# Altium PCB Copy of master.PcbDoc (part 5 of 7)
Units mm, origin at the board's own origin, x right, y up, seen from the top; angles counter-clockwise.
Board outline 160 x 120 mm, 6 copper layers (Top Signal, Top GND, Inner PWR, Inner Signal, Bottom GND, Bottom Signal), stack 1.571 mm thick; 553 components, 452 nets, 2073 pads, 879 vias.
Unrouted connection lines stored in the file: 269.
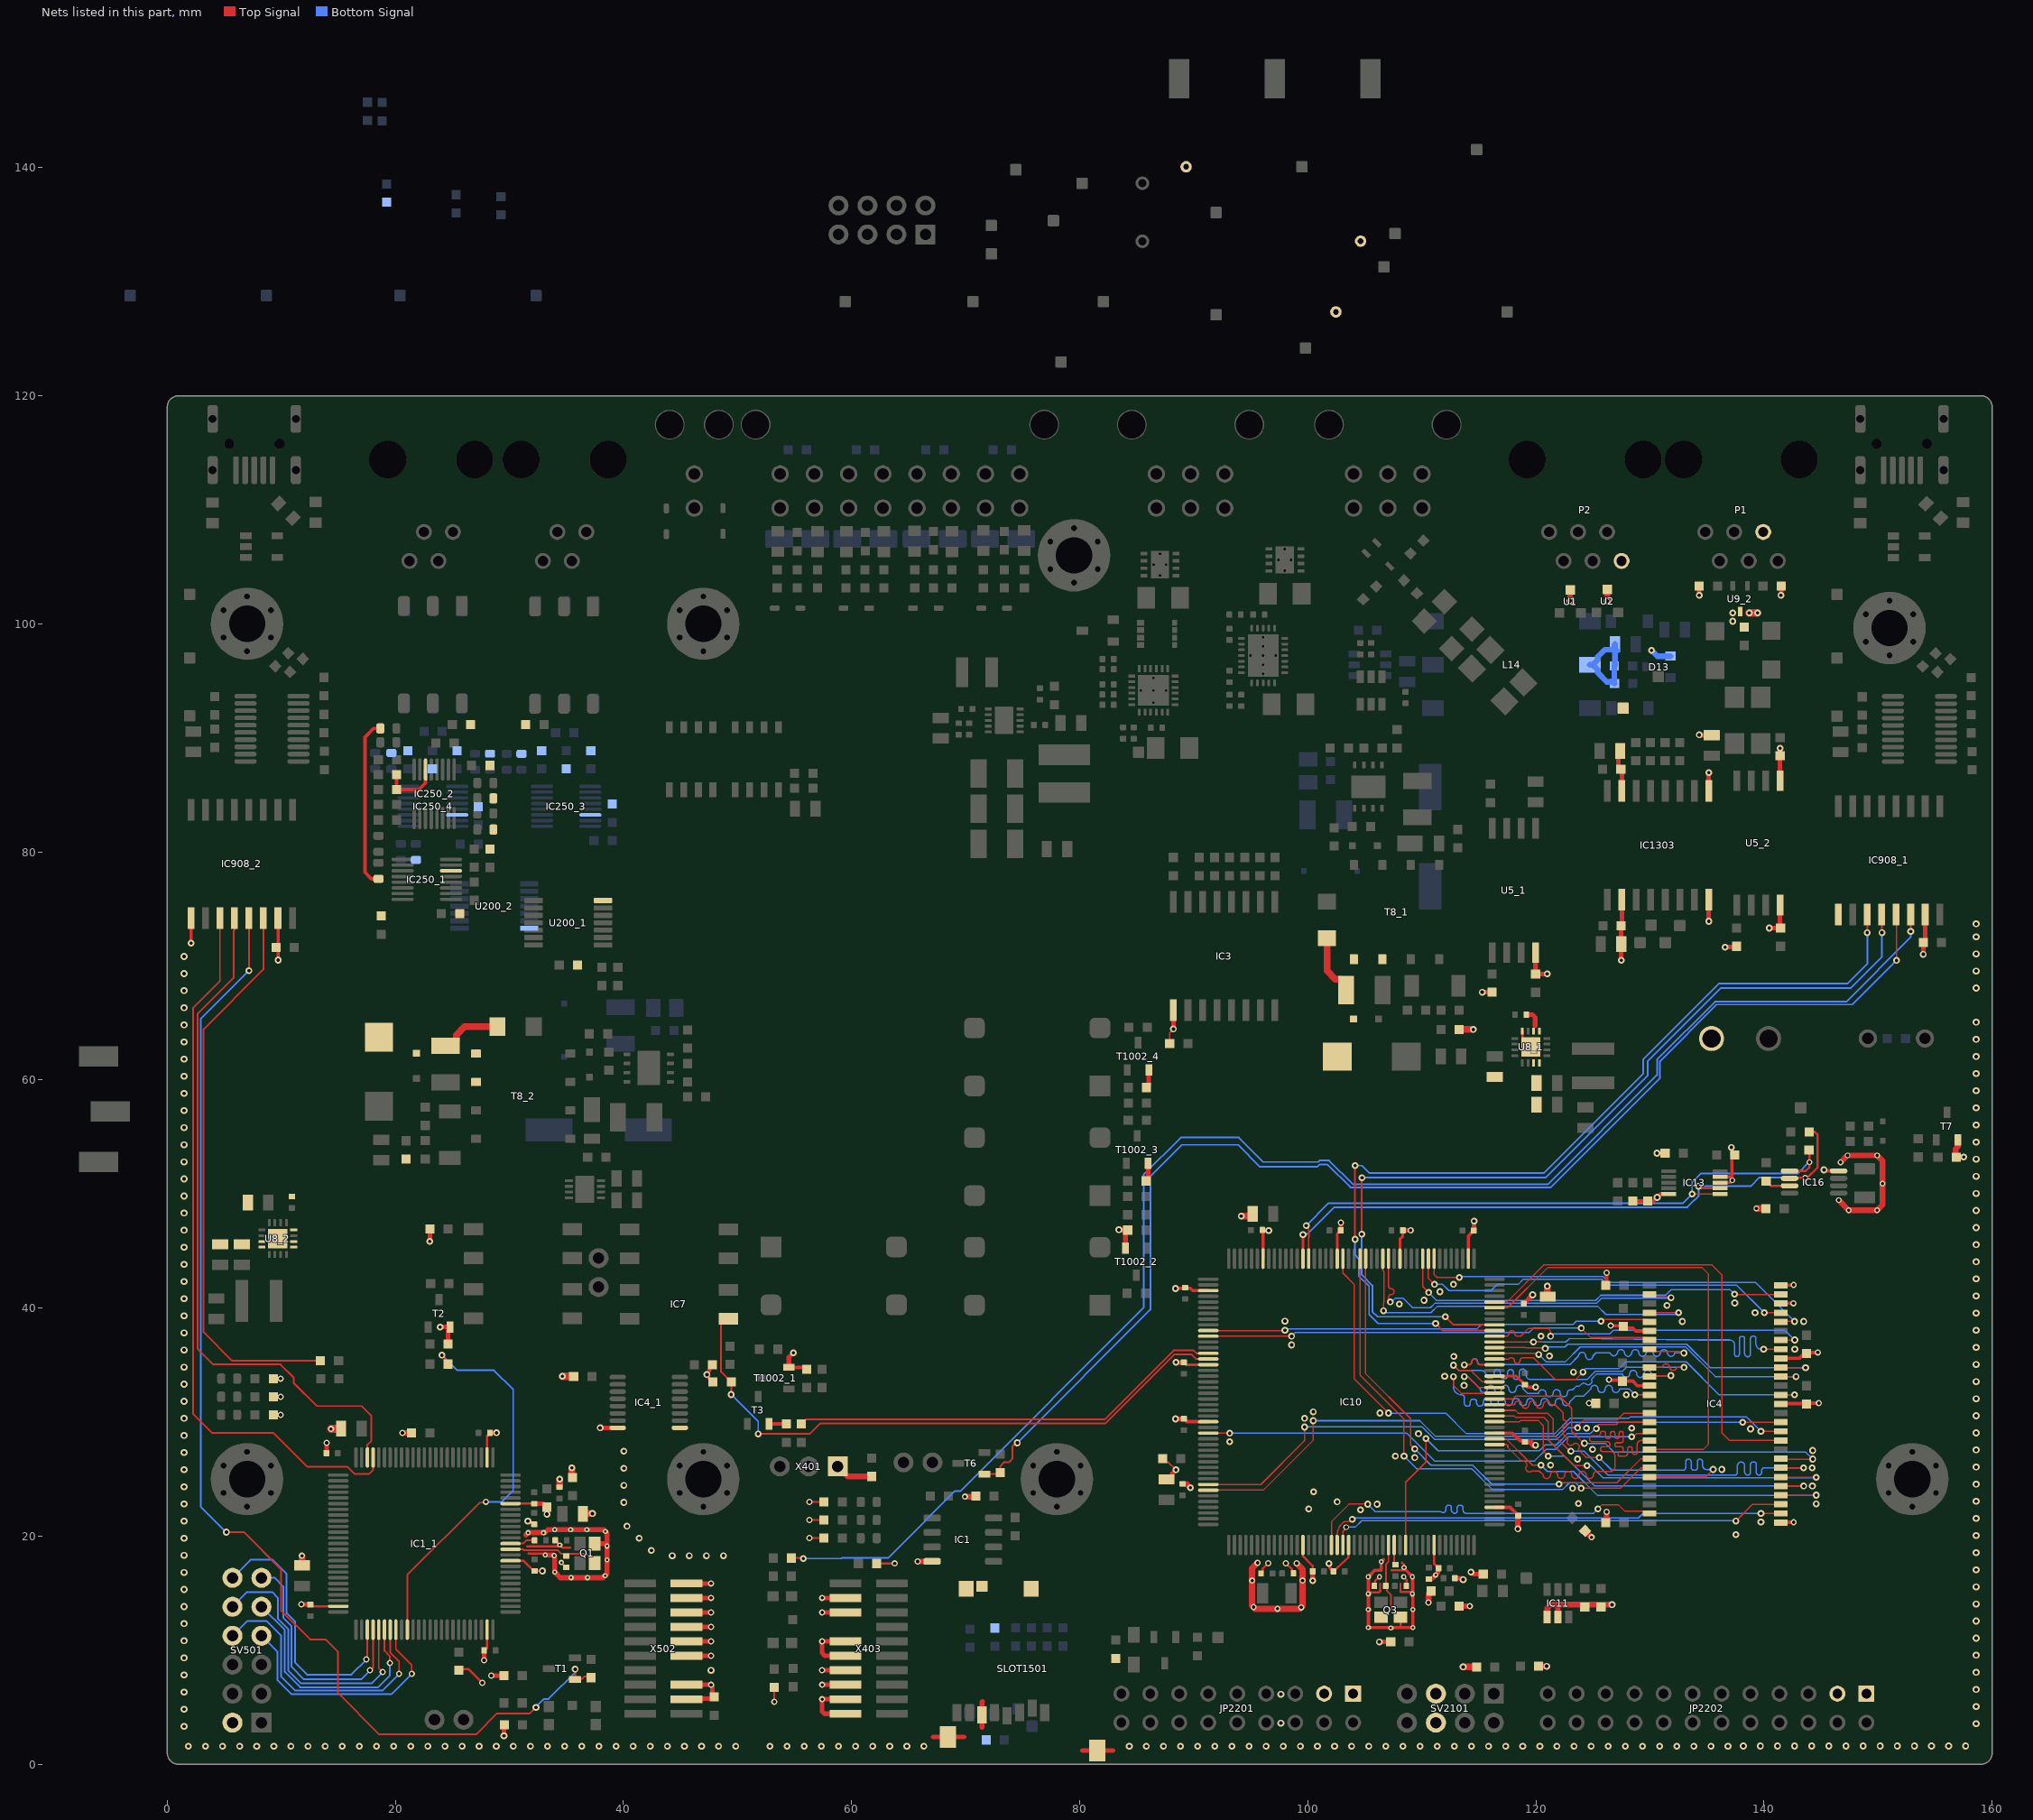
[diagram p9: the nets of this part, all layers, seen from the top]

## Via types
v1: diameter 0.6, hole 0.3, Top Signal to Bottom Signal, 679 vias
v2: diameter 0.55, hole 0.3, Top Signal to Bottom Signal, tented both sides, 125 vias
v3: diameter 0.45, hole 0.2, Top Signal to Bottom Signal, 31 vias
v4: diameter 0.5, hole 0.2, Top Signal to Bottom Signal, 16 vias
v5: diameter 0.5, hole 0.3, Top Signal to Bottom Signal, tented both sides, 13 vias
v6: diameter 0.55, hole 0.3, Top Signal to Bottom Signal, 10 vias
v7: diameter 0.6, hole 0.3, Top Signal to Bottom Signal, tented both sides, 4 vias
v8: diameter 0.5, hole 0.3, Top Signal to Bottom Signal, 1 vias

## Nets (pads, with @x,y where several pads share a name; then routed paths per layer and width w, separated by ;. In a path a pad name is that pad's centre, name@x,y a point inside that pad or via, vN(x,y) a via of type N, cw(c..) or ccw(c..) an arc to the next point about the centre after c; other vN are vias at no path point) (continued)
FMC_MCU_0_RAM_A3: IC4.26 IC10.19 | length 33.5
  Top Signal w0.12: IC10.19@102.072,19.234 102.072,21.272 103.61,22.809 v1(105.258,22.809) ; v1(125.444,22.395) 125.807,22.758 127.236,22.758 127.784,22.211 129.751,22.211 IC4.26@129.966,21.996
  Bottom Signal w0.12: v1(105.258,22.809) 105.927,22.14 111.618,22.14 cw(c111.618,21.845) 111.793,22.083 ccw(c111.865,22.178) 111.896,22.062 ccw(c111.827,22.331) 112.105,22.331 112.105,22.46 cw(c112.371,22.46) 112.371,22.725 cw(c112.371,22.509) 112.587,22.509 112.587,22.307 ccw(c112.883,22.307) 112.883,22.01 112.895,22.01 ccw(c112.895,22.217) 113.101,22.217 113.101,22.501 cw(c113.325,22.501) 113.325,22.725 113.364,22.725 cw(c113.364,22.471) 113.619,22.471 113.619,22.27 ccw(c113.884,22.27) 113.884,22.004 125.053,22.004 v1(125.444,22.395)
FMC_MCU_0_RAM_A4: IC4.29 IC10.20 | length 40.9
  Top Signal w0.12: IC10.20@102.573,19.234 102.573,20.166 cw(c103.799,20.166) 102.932,21.034 103.114,21.216 cw(c103.249,21.08) 103.249,21.272 103.695,21.272 ccw(c103.695,21.473) v1(103.897,21.473) ; v1(139.725,21.996) IC4.29@141.466,21.996
  Bottom Signal w0.12: v1(103.897,21.473) 104.026,21.603 128.994,21.603 129.386,21.996 v1(139.725,21.996)
FMC_MCU_0_RAM_A5: IC4.30 IC10.21 | length 40.6
  Top Signal w0.12: IC10.21@103.072,19.234 103.072,20.412 v8@103.452,20.792 ; v1(137.528,21.331) 138.993,22.796 IC4.30@141.466,22.796
  Bottom Signal w0.12: v8@103.452,20.792 104.176,20.792 104.747,21.363 137.496,21.363 v1(137.528,21.331)
  other v8: 103.363,20.792
FMC_MCU_0_RAM_A6: IC4.31 IC10.60 | length 33.4
  Top Signal w0.12: IC10.60@116.372,28.534 117.379,28.534 119.685,26.228 v1(120.451,26.228) ; IC4.31@141.466,23.596 v1(144.577,23.596)
  Bottom Signal w0.12: v1(120.451,26.228) 120.999,25.679 123.292,25.679 125.375,23.596 v1(144.577,23.596)
FMC_MCU_0_RAM_A7: IC4.32 IC10.63 | length 32.9
  Top Signal w0.12: IC10.63@116.372,30.034 118.569,30.034 118.688,30.153 120.183,30.153 120.625,29.711 120.625,27.471 v1(121.079,27.017) ; IC4.32@141.466,24.396 v1(143.482,24.396)
  Bottom Signal w0.12: v1(121.079,27.017) 122.528,27.017 125.149,24.396 v1(143.482,24.396)
FMC_MCU_0_RAM_A8: IC4.33 IC10.64 | length 34.5
  Top Signal w0.12: IC10.64@116.372,30.534 118.091,30.534 118.209,30.415 120.697,30.415 121.082,30.03 121.082,28.445 123.339,26.187 v1(124.475,26.187) ; IC4.33@141.466,25.196 141.499,25.163 v1(144.577,25.163)
  Bottom Signal w0.12: v1(124.475,26.187) 124.816,26.187 125.881,25.122 144.536,25.122 v1(144.577,25.163)
FMC_MCU_0_RAM_A9: IC4.34 IC10.65 | length 36.5
  Top Signal w0.12: IC10.65@116.372,31.034 118.203,31.034 118.441,30.796 121.005,30.796 121.5,30.301 121.5,28.932 123.063,27.369 v1(123.063,27.457) ; IC4.34@141.466,25.996 141.469,25.993 v1(143.465,25.993)
  Bottom Signal w0.12: v1(123.063,27.457) 124.211,27.457 126.307,25.362 137.431,25.362 ccw(c137.431,25.598) 137.668,25.598 137.668,26.205 cw(c137.959,26.205) 137.959,26.495 138.024,26.495 cw(c138.024,26.228) 138.292,26.228 138.292,25.651 ccw(c138.581,25.651) 138.581,25.362 ccw(c138.581,25.597) 138.816,25.597 138.816,26.286 cw(c139.033,26.286) 139.033,26.503 139.139,26.503 cw(c139.139,26.323) 139.319,26.323 139.319,25.606 ccw(c139.563,25.606) 139.563,25.362 ccw(c139.563,25.597) 139.799,25.597 139.799,25.785 cw(c140.007,25.785) 140.007,25.993 v1(143.465,25.993)
FMC_MCU_0_RAM_A10: IC4.22 IC10.66 | length 34.4
  Top Signal w0.12: IC10.66@116.372,31.534 118.135,31.534 cw(c118.449,31.534) 118.763,31.534 ccw(c119.077,31.534) 119.391,31.534 cw(c119.705,31.534) 120.019,31.534 ccw(c120.333,31.534) 120.647,31.534 cw(c120.961,31.534) 121.275,31.534 121.673,31.534 122.377,30.829 122.377,30.201 cw(c122.377,29.887) 122.377,29.573 122.377,28.945 122.821,28.5 ccw(c123.043,28.278) 123.265,28.056 cw(c123.487,27.834) 123.709,27.612 124.153,27.168 124.255,27.066 124.433,26.889 v1(125.549,26.889) ; IC4.22@129.966,25.196 134.881,25.196 v1(135.534,25.849)
  Bottom Signal w0.12: v1(125.549,26.889) 126.653,25.785 132.899,25.785 ccw(c132.899,26.009) 133.123,26.009 133.123,26.514 cw(c133.367,26.514) 133.367,26.759 133.371,26.759 cw(c133.371,26.52) 133.61,26.52 133.61,26.025 ccw(c133.85,26.025) 133.85,25.785 133.954,25.785 ccw(c133.954,25.991) 134.16,25.991 134.16,26.557 cw(c134.365,26.557) 134.365,26.763 cw(c134.365,26.513) 134.615,26.513 134.615,26.187 ccw(c134.953,26.187) 134.953,25.849 v1(135.534,25.849)
FMC_MCU_0_RAM_A11: IC4.35 IC10.67 | length 34.4
  Top Signal w0.12: IC10.67@116.372,32.034 117.977,32.034 118.218,32.275 122.07,32.275 123.135,31.21 123.135,29.189 124.257,28.067 v1(124.257,28.143) ; IC4.35@141.466,26.759 v1(144.272,26.759)
  Bottom Signal w0.12: v1(124.257,28.143) 126.07,28.143 126.853,27.361 143.67,27.361 v1(144.272,26.759)
FMC_MCU_0_RAM_BA0: IC4.20 IC10.108 | length 41.7
  Top Signal w0.12: IC10.108@105.072,44.334 105.072,34.249 109.017,30.305 109.017,28.007 v1(109.379,27.645) ; v1(122.022,24.562) 121.935,24.562 121.812,24.685 127.098,24.685 129.208,26.796 IC4.20@129.966,26.796
  Bottom Signal w0.12: v1(109.379,27.645) 110.796,26.228 114.458,26.228 116.123,24.562 v1(122.022,24.562)
FMC_MCU_0_RAM_BA1: IC4.21 IC10.109 | length 42.9
  Top Signal w0.12: IC10.109@104.573,44.334 104.573,34.119 108.437,30.255 v1(108.437,27.017) ; v1(123.96,24.198) 127.411,24.198 129.209,25.996 IC4.21@129.966,25.996
  Bottom Signal w0.12: v1(108.437,27.017) 109.526,25.928 114.347,25.928 116.2,24.075 122.324,24.075 122.938,24.689 123.469,24.689 v1(123.96,24.198)
FMC_MCU_0_RAM_D0: IC4.2 IC10.104 | length 31.9
  Top Signal w0.12: IC10.104@107.072,44.334 107.072,41.94 ccw(c107.322,41.94) 107.322,41.69 cw(c107.322,41.44) 107.322,41.19 ccw(c107.322,40.94) 107.072,40.94 107.072,40.686 v1(107.225,40.534) ; IC4.2@129.966,41.196 130.181,40.981 131.79,40.981 v1(131.851,40.919)
  Bottom Signal w0.12: v1(107.225,40.534) 107.333,40.534 107.68,40.881 108.343,40.881 109.193,40.031 110.756,40.031 111.172,40.447 111.186,40.432 125.326,40.432 125.775,40.881 131.813,40.881 v1(131.851,40.919)
FMC_MCU_0_RAM_D1: IC4.4 IC10.105 | length 33.7
  Top Signal w0.12: IC10.105@106.573,44.334 106.573,43.332 106.667,43.238 106.667,40.467 106.63,40.43 v1(106.63,39.768) ; IC4.4@129.966,39.596 v1(132.512,39.596)
  Bottom Signal w0.12: v1(106.63,39.768) 106.802,39.596 110.796,39.596 111.364,40.164 125.415,40.164 126.132,39.447 132.233,39.447 132.382,39.596 v1(132.512,39.596)
FMC_MCU_0_RAM_D2: IC4.5 IC10.142 | length 39.6
  Top Signal w0.12: IC10.142@91.273,38.034 98.183,38.034 98.204,38.055 v1(97.993,38.055) ; v1(125.712,38.847) 125.712,38.872 125.851,39.011 129.751,39.011 IC4.5@129.966,38.796
  Bottom Signal w0.12: v1(97.993,38.055) 98.102,38.163 114.801,38.163 115.216,38.578 123.262,38.578 123.537,38.854 123.544,38.847 v1(125.712,38.847)
FMC_MCU_0_RAM_D3: IC4.7 IC10.143 | length 39.5
  Top Signal w0.12: IC10.143@91.273,37.534 91.348,37.609 91.424,37.533 v1(98.582,37.533) ; v1(123.977,38.244) 124.811,37.411 129.751,37.411 IC4.7@129.966,37.196
  Bottom Signal w0.12: v1(98.582,37.533) 98.921,37.871 119.407,37.871 119.78,38.244 v1(123.977,38.244)
FMC_MCU_0_RAM_D4: IC4.13 IC10.68 | length 31.4
  Top Signal w0.12: v1(112.774,33.996) 112.774,33.215 113.456,32.534 IC10.68@116.372,32.534 ; v1(128.676,32.402) 129.96,32.402 IC4.13@129.966,32.396
  Bottom Signal w0.12: v1(112.774,33.996) 112.774,33.077 ccw(c113.449,33.077) 113.449,32.402 cw(c113.449,32.116) 113.735,32.116 113.735,31.636 ccw(c113.975,31.636) 113.975,31.395 114.024,31.395 ccw(c114.024,31.617) 114.246,31.617 114.246,31.766 cw(c114.497,31.766) 114.497,32.017 114.575,32.017 cw(c114.575,31.787) 114.805,31.787 114.805,31.66 ccw(c115.07,31.66) 115.07,31.395 ccw(c115.07,31.722) 115.397,31.722 115.397,31.767 cw(c115.725,31.767) 115.725,32.094 115.741,32.094 cw(c115.741,31.78) 116.055,31.78 116.055,31.767 ccw(c116.369,31.767) 116.683,31.767 cw(c116.997,31.767) 117.311,31.767 ccw(c117.625,31.767) 117.939,31.767 cw(c118.253,31.767) 118.567,31.767 ccw(c118.881,31.767) 119.195,31.767 cw(c119.509,31.767) 119.823,31.767 ccw(c120.137,31.767) 120.451,31.767 cw(c120.765,31.767) 121.079,31.767 ccw(c121.393,31.767) 121.707,31.767 cw(c122.021,31.767) 122.335,31.767 ccw(c122.649,31.767) 122.963,31.767 123.491,32.296 124.201,32.296 124.816,32.91 cw(c125.13,32.91) 125.444,32.91 ccw(c125.758,32.91) 126.072,32.91 cw(c126.386,32.91) 126.7,32.91 ccw(c127.014,32.91) 127.328,32.91 128.168,32.91 v1(128.676,32.402)
FMC_MCU_0_RAM_D5: IC4.11 IC10.69 | length 29.8
  Top Signal w0.12: v1(113.716,33.996) 114.027,33.996 114.989,33.034 IC10.69@116.372,33.034 ; IC4.11@129.966,33.996 130.049,34.078 v1(131.836,34.078)
  Bottom Signal w0.12: v1(113.716,33.996) 114.027,33.996 115.113,32.91 ccw(c115.427,32.91) 115.741,32.91 cw(c116.055,32.91) 116.369,32.91 ccw(c116.683,32.91) 116.997,32.91 cw(c117.311,32.91) 117.625,32.91 ccw(c117.939,32.91) 118.253,32.91 cw(c118.567,32.91) 118.881,32.91 119.255,32.536 120.244,32.536 cw(c120.558,32.529) 120.872,32.536 ccw(c121.186,32.536) 121.5,32.536 cw(c121.814,32.536) 122.128,32.536 ccw(c122.442,32.536) 122.756,32.536 cw(c123.07,32.536) 122.995,32.841 123.22,32.841 123.544,33.164 123.821,33.164 123.977,33.321 cw(c124.199,33.099) 124.421,33.321 ccw(c124.586,33.6) 124.866,33.765 125.332,34.231 126.009,34.231 126.019,34.221 126.8,34.221 126.81,34.231 127.585,34.231 ccw(c127.899,34.231) 128.213,34.231 cw(c128.527,34.231) 128.841,34.231 ccw(c129.155,34.231) 129.469,34.231 cw(c129.783,34.231) 130.097,34.231 130.25,34.078 v1(131.836,34.078)
FMC_MCU_0_RAM_D6: IC4.10 IC10.70 | length 32.7
  Top Signal w0.12: v1(112.774,34.989) 113.232,34.531 114.294,34.531 115.295,33.53 IC10.70@116.372,33.53 ; IC4.10@129.966,34.796 131.092,34.796 cw(c131.406,34.796) 131.72,34.796 ccw(c132.034,34.862) 132.348,34.796 v1(132.976,34.796)
  Bottom Signal w0.12: v1(112.774,34.989) 113.232,34.531 115.189,34.531 cw(c115.189,34.101) 115.619,34.101 ccw(c115.872,34.101) 115.872,33.849 116.061,33.849 ccw(c116.061,34.114) 116.326,34.114 116.326,34.362 cw(c116.576,34.362) 116.576,34.612 116.605,34.612 cw(c116.605,34.341) 116.875,34.341 116.875,34.117 ccw(c117.183,34.117) 117.183,33.809 117.243,33.809 ccw(c117.243,34.069) 117.503,34.069 117.503,34.328 cw(c117.787,34.328) 117.787,34.612 cw(c117.787,34.369) 118.03,34.369 118.03,33.94 ccw(c118.214,33.94) 118.214,33.757 118.363,33.757 ccw(c118.363,33.926) 118.532,33.926 118.532,34.344 cw(c118.846,34.344) 118.846,34.658 cw(c118.846,34.379) 119.125,34.379 119.125,34.142 ccw(c119.511,34.142) 119.511,33.757 124.518,33.757 125.232,34.471 127.595,34.471 127.92,34.796 v1(132.976,34.796)
FMC_MCU_0_RAM_D7: IC4.8 IC10.73 | length 30.2
  Top Signal w0.12: v1(113.716,35.018) 114.097,35.018 ccw(c114.097,35.268) 114.347,35.268 cw(c114.597,35.268) 114.847,35.268 ccw(c115.097,35.268) 115.097,35.018 116.357,35.018 IC10.73@116.372,35.034 ; IC4.8@129.966,36.396 130.181,36.181 132.718,36.181 132.839,36.06 v1(132.969,36.06)
  Bottom Signal w0.12: v1(113.716,35.018) 113.753,35.056 114.134,35.056 ccw(c114.134,35.306) 114.384,35.306 cw(c114.634,35.306) 114.884,35.306 ccw(c115.134,35.306) 115.134,35.056 122.985,35.056 123.735,35.806 cw(c124.049,35.806) 124.363,35.806 ccw(c124.677,35.806) 124.991,35.806 125.27,36.085 126.51,36.085 ccw(c126.824,36.136) 127.138,36.085 cw(c127.452,36.037) 127.766,36.085 ccw(c128.08,36.085) 128.394,36.085 cw(c128.708,36.037) 129.022,36.085 ccw(c129.336,36.085) 129.65,36.085 cw(c129.964,36.037) 130.278,36.085 ccw(c130.592,36.085) 130.906,36.085 cw(c131.22,36.037) 131.534,36.085 ccw(c131.848,36.085) 132.162,36.085 132.944,36.085 v1(132.969,36.06)
FMC_MCU_0_RAM_D8: IC4.42 IC10.74 | length 30.8
  Top Signal w0.12: IC10.74@116.372,35.534 117.628,35.534 117.729,35.634 117.856,35.634 cw(c117.856,35.384) 118.106,35.384 ccw(c118.356,35.384) 118.606,35.384 cw(c118.856,35.384) 118.856,35.634 119.785,35.634 121.663,33.757 123.498,33.757 v1(124.13,34.388) ; IC4.42@141.466,32.396 141.473,32.402 v1(142.672,32.402)
  Bottom Signal w0.12: v1(124.13,34.388) 124.13,34.475 124.365,34.711 127.298,34.711 127.869,35.283 133.178,35.283 136.058,32.402 v1(142.672,32.402)
FMC_MCU_0_RAM_D9: IC4.44 IC10.75 | length 29.7
  Top Signal w0.12: IC10.75@116.372,36.034 120.142,36.034 v1(120.244,35.933) ; IC4.44@141.466,33.996 v1(142.803,33.996)
  Bottom Signal w0.12: v1(120.244,35.933) 120.871,35.306 122.593,35.306 123.882,36.595 133.123,36.595 135.722,33.996 v1(142.803,33.996)
FMC_MCU_0_RAM_D10: IC4.45 IC10.76 | length 30.5
  Top Signal w0.12: IC10.76@116.372,36.534 119.102,36.534 119.13,36.506 v1@120.821,36.506 ; IC4.45@141.466,34.796 141.498,34.764 v1(143.642,34.764)
  Bottom Signal w0.12: v1(120.821,36.464) 120.951,36.595 122.532,36.595 122.772,36.835 133.222,36.835 135.293,34.764 v1(143.642,34.764)
FMC_MCU_0_RAM_D11: IC4.47 IC10.77 | length 33.8
  Top Signal w0.12: IC10.77@116.372,37.034 120.616,37.034 120.607,37.025 v1(119.78,37.025) ; v1(139.965,36.396) 141.447,36.396 IC4.47@141.466,36.415
  Bottom Signal w0.12: v1(119.78,37.025) 122.623,37.025 122.93,37.333 134.236,37.206 136.983,37.206 cw(c136.983,36.762) 137.427,36.762 137.427,35.922 ccw(c137.605,35.922) 137.605,35.744 137.618,35.744 ccw(c137.618,35.962) 137.836,35.962 137.836,37.333 cw(c138.02,37.333) 138.02,37.516 138.125,37.516 cw(c138.125,37.35) 138.292,37.35 138.292,36.024 ccw(c138.581,36.024) 138.581,35.735 ccw(c138.581,35.971) 138.816,35.971 138.816,37.333 cw(c139.016,37.333) 139.016,37.533 139.1,37.533 cw(c139.1,37.342) 139.29,37.342 139.29,36.835 ccw(c139.729,36.835) 139.729,36.396 v1(139.965,36.396)
FMC_MCU_0_RAM_D12: IC4.48 IC10.78 | length 29.6
  Top Signal w0.12: IC10.78@116.372,37.534 117.388,37.534 ccw(c117.388,37.784) 117.638,37.784 cw(c117.888,37.784) 118.138,37.784 ccw(c118.388,37.784) 118.388,37.534 118.661,37.534 119.355,38.227 121.056,38.227 121.285,37.998 v1(121.285,37.533) v1@121.258,37.56 ; IC4.48@141.466,37.196 141.473,37.203 v1(142.697,37.203)
  Bottom Signal w0.12: v1(121.285,37.533) 121.509,37.757 126.501,37.757 126.802,38.058 141.823,38.058 142.679,37.203 v1(142.697,37.203)
FMC_MCU_0_RAM_D13: IC4.50 IC10.96 | length 36
  Top Signal w0.12: IC10.96@111.073,44.334 111.073,42.943 111.337,42.679 v1(113.282,42.679) ; IC4.50@141.466,38.796 141.499,38.828 v1(142.672,38.828)
  Bottom Signal w0.12: v1(113.282,42.679) 113.364,42.761 125.888,42.761 126.414,42.235 139.265,42.235 v1(142.672,38.828)
FMC_MCU_0_RAM_D14: IC4.51 IC10.97 | length 34.7
  Top Signal w0.12: IC10.97@110.572,44.334 110.572,42.597 111.092,42.078 v1(111.103,42.078) ; v1(140.017,39.596) IC4.51@141.466,39.596
  Bottom Signal w0.12: v1(111.103,42.078) 111.827,42.078 112.371,41.534 116.061,41.534 116.605,42.078 118.439,42.078 118.882,42.521 125.788,42.521 126.314,41.995 137.618,41.995 v1(140.017,39.596)
FMC_MCU_0_RAM_D15: IC4.53 IC10.98 | length 35.4
  Top Signal w0.12: IC10.98@110.073,44.334 110.073,41.885 v1(110.589,41.368) ; v1(137.419,41.213) 137.436,41.196 IC4.53@141.466,41.196
  Bottom Signal w0.12: v1(110.589,41.368) 111.285,40.672 125.227,40.672 125.676,41.121 131.358,41.121 131.867,41.631 137,41.631 137.253,41.378 v1@137.427,41.378 ; v1(137.419,41.213) v1@137.427,41.213 ; v1@137.427,41.213 v1@137.427,41.378 ; v1@137.427,41.213 137.593,41.213 v1@137.427,41.378
FMC_MCU_0_RAM_NBL0: IC4.15 IC10.169 | length 43
  Top Signal w0.12: IC10.169@91.273,24.534 95.879,24.534 99.72,28.375 v1(99.72,29.573) ; v1(123.65,29.495) 123.65,29.639 124.213,30.201 127.122,30.201 127.717,30.796 IC4.15@129.966,30.796
  Bottom Signal w0.12: v1(99.72,29.573) 110.035,29.573 111.108,28.5 121.84,28.5 122.835,29.495 v1(123.65,29.495)
FMC_MCU_0_RAM_NBL1: IC4.39 IC10.170 | length 54.8
  Top Signal w0.12: IC10.170@91.273,24.034 96.1,24.034 100.482,28.417 v1(100.482,30.124) ; v1(138.125,29.989) 141.46,29.989 IC4.39@141.466,29.996
  Bottom Signal w0.12: v1(100.482,30.124) 109.823,30.124 111.206,28.741 121.742,28.741 122.99,29.989 v1(138.125,29.989)
FMC_MCU_0_RAM_SDCKE1: IC4.37 IC10.84 | length 40.9
  Top Signal w0.12: IC10.84@116.372,40.534 117.449,40.534 120.724,43.809 135.395,43.809 136.322,42.882 136.322,29.041 136.967,28.396 IC4.37@141.466,28.396
FMC_MCU_0_RAM_SDCLK: IC4.38 IC10.112 | length 51.5
  Top Signal w0.12: IC10.112@103.072,44.334 103.072,43.078 104.072,42.078 104.072,33.796 v1(107.072,30.796) ; v1(139.725,29.202) 141.46,29.202 IC4.38@141.466,29.196
  Bottom Signal w0.12: v1(107.072,30.796) 112.092,30.796 113.906,28.981 121.643,28.981 122.995,30.334 128.145,30.334 128.287,30.476 138.451,30.476 v1(139.725,29.202)
FMC_MCU_0_RAM_SDNCAS: IC4.17 IC10.160 | length 40.8
  Top Signal w0.12: IC10.160@91.273,29.034 91.296,29.01 91.307,29.02 v1(93.142,29.02) ; v1(128.394,28.719) 128.524,28.719 128.786,28.981 129.751,28.981 IC4.17@129.966,29.196
  Bottom Signal w0.12: v1(93.142,29.02) 93.157,29.035 98.45,29.035 98.452,29.034 108.678,29.034 111.114,26.598 119.877,26.598 120.892,27.612 121.728,27.612 122.835,28.719 v1(128.394,28.719)
FMC_MCU_0_RAM_SDNE1: IC4.19 IC10.83 | length 40.7
  Top Signal w0.12: IC10.83@116.372,40.034 117.515,40.034 121.05,43.569 134.549,43.569 135.132,42.986 135.132,28.072 134.656,27.596 IC4.19@129.966,27.596
FMC_MCU_0_RAM_SDNRAS: IC4.18 IC10.59 | length 34.6
  Top Signal w0.12: IC10.59@116.372,28.034 117.454,28.034 117.536,27.951 117.536,27.789 118.715,26.61 118.763,26.61 cw(c118.789,26.192) 119.207,26.166 ccw(c119.429,25.944) 119.652,25.722 120.28,25.722 120.635,25.366 ccw(c120.949,25.366) 121.263,25.366 cw(c121.577,25.366) 121.891,25.366 ccw(c122.205,25.366) 122.519,25.366 cw(c122.833,25.366) 123.147,25.366 ccw(c123.461,25.366) 123.775,25.366 cw(c124.089,25.366) 124.403,25.366 ccw(c124.717,25.366) 125.031,25.366 cw(c125.345,25.366) 125.345,25.68 126.656,25.68 126.92,25.944 126.92,27.053 ccw(c126.549,27.053) 126.549,27.424 125.848,27.424 cw(c125.848,27.612) 125.659,27.612 125.659,27.662 cw(c125.832,27.662) 125.832,27.834 126.287,27.834 ccw(c126.287,28.038) 126.492,28.038 126.492,28.056 ccw(c126.27,28.056) 126.27,28.278 124.943,28.278 cw(c124.943,28.503) 124.717,28.503 124.717,28.57 cw(c124.943,28.57) 124.943,28.795 125.421,28.795 ccw(c125.421,29.034) 125.659,29.034 cw(c125.827,29.034) 125.827,29.202 125.933,29.202 cw(c125.933,29.034) 126.101,29.034 126.101,28.752 ccw(c126.287,28.752) 126.287,28.566 126.364,28.566 ccw(c126.364,28.719) 126.517,28.719 126.517,28.998 cw(c126.695,28.998) 126.695,29.176 126.777,29.176 cw(c126.777,29.034) 126.92,29.034 126.92,28.709 ccw(c127.063,28.709) 127.063,28.566 127.202,28.566 ccw(c127.202,28.668) 127.305,28.668 127.305,29.036 cw(c127.445,29.036) 127.445,29.176 127.518,29.176 cw(c127.518,29.034) 127.66,29.034 127.66,28.389 cw(c127.457,28.389) 127.457,28.186 127.049,28.186 ccw(c127.049,28.056) 126.92,28.056 126.92,27.978 ccw(c127.063,27.978) 127.063,27.834 127.506,27.834 cw(c127.506,27.679) 127.66,27.679 127.66,27.536 cw(c127.548,27.536) 127.548,27.424 127.356,27.424 ccw(c127.356,27.271) 127.203,27.271 127.203,27.151 ccw(c127.337,27.151) 127.337,27.017 127.762,27.017 ccw(c127.762,27.297) 128.041,27.297 128.041,27.679 cw(c128.196,27.679) 128.196,27.834 128.266,27.834 cw(c128.266,27.678) 128.422,27.678 128.422,27.422 ccw(c128.676,27.422) 128.676,27.168 ccw(c128.676,27.371) 128.88,27.371 128.88,28.043 cw(c129.232,28.043) 129.232,28.396 IC4.18@129.966,28.396